# Altium PCB Enigma Rev B.PcbDoc (part 2 of 8)
Units mm, origin at the board's own origin, x right, y up, seen from the top; angles counter-clockwise.
Board outline 239.08 x 138 mm, 6 copper layers (Component Side, Ground Plane (GND), Inner Layer 1, Inner Layer 2, Power Plane (VCC), Solder Side), stack 1.297 mm thick; 556 components, 648 nets, 2393 pads, 1101 vias.
Unrouted connection lines stored in the file: 43.
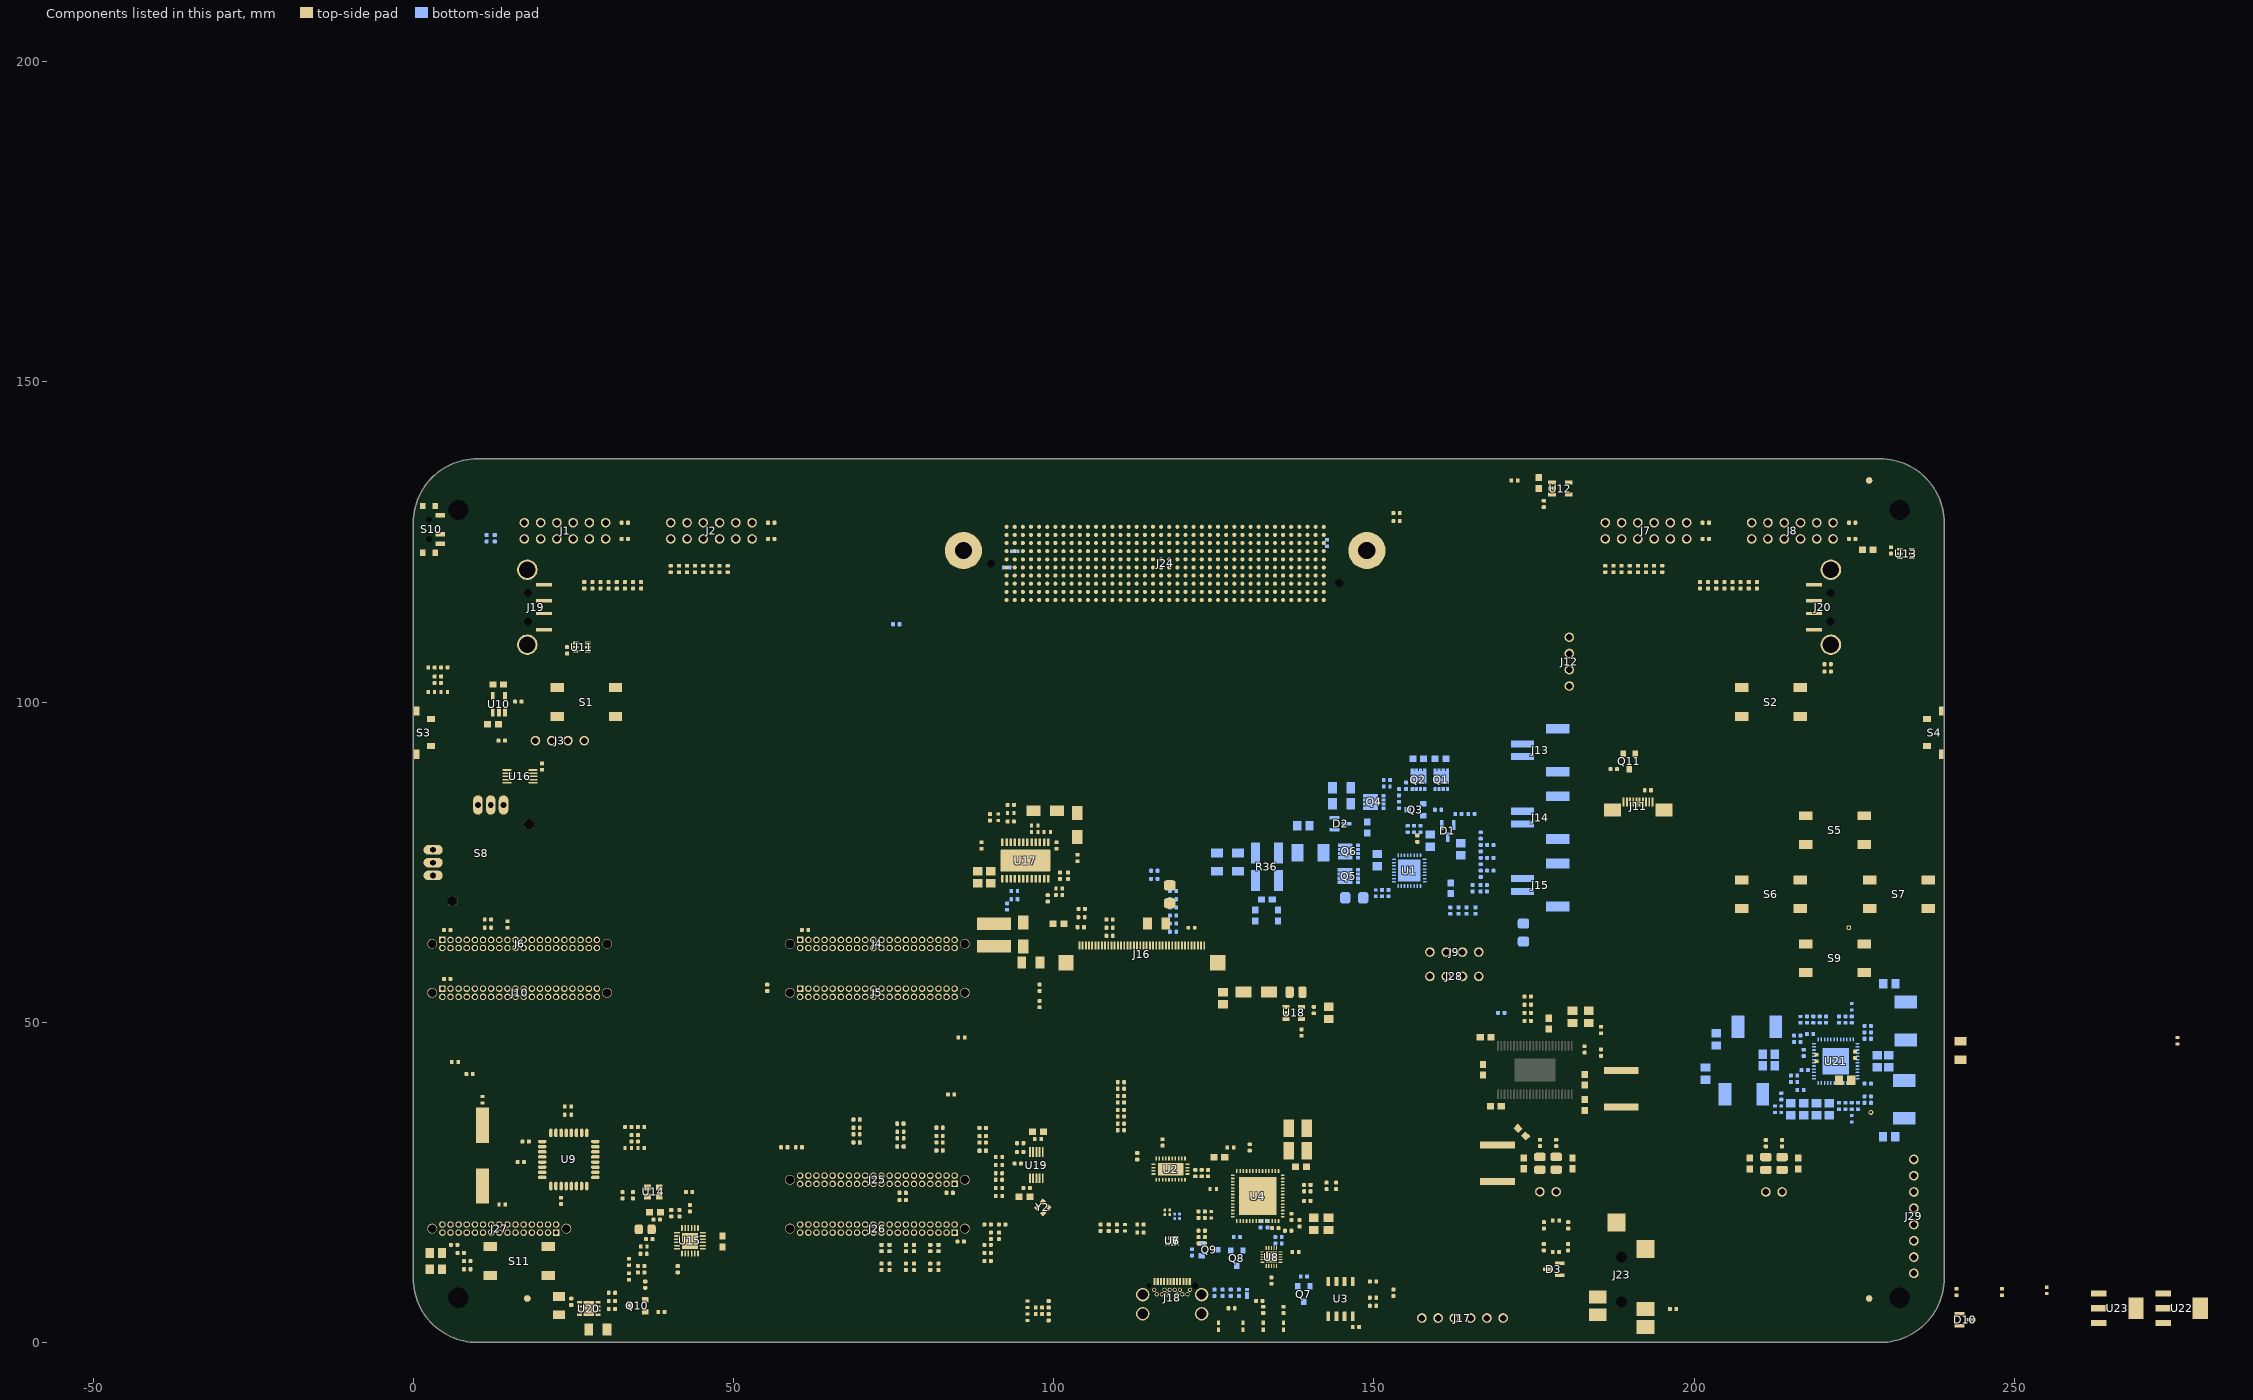
[diagram p6: the components of this part, seen from the top]

## Footprints (in the part's own frame and the unit in brackets; to place one, negate y for a bottom-side part, rotate by r counter-clockwise, add the part's x,y. Pads: shape width x height; smd on the part's side, far side on the other; paste and mask are expansions set on the pad) (continued)
ER-CON40HT-1_BTM [mm]
  rect 0.3x1.2 smd: 1(-9.75,-0.6) 2(-9.25,-0.6) 3(-8.75,-0.6) 4(-8.25,-0.6) 5(-7.75,-0.6) 6(-7.25,-0.6) 7(-6.75,-0.6) 8(-6.25,-0.6) 9(-5.75,-0.6) 10(-5.25,-0.6) 11(-4.75,-0.6) 12(-4.25,-0.6) 13(-3.75,-0.6) 14(-3.25,-0.6) 15(-2.75,-0.6) 16(-2.25,-0.6) 17(-1.75,-0.6) 18(-1.25,-0.6) 19(-0.75,-0.6) 20(-0.25,-0.6) 21(0.25,-0.6) 22(0.75,-0.6) 23(1.25,-0.6) 24(1.75,-0.6) 25(2.25,-0.6) 26(2.75,-0.6) 27(3.25,-0.6) 28(3.75,-0.6) 29(4.25,-0.6) 30(4.75,-0.6) 31(5.25,-0.6) 32(5.75,-0.6) 33(6.25,-0.6) 34(6.75,-0.6) 35(7.25,-0.6) 36(7.75,-0.6) 37(8.25,-0.6) 38(8.75,-0.6) 39(9.25,-0.6) 40(9.75,-0.6)
  rect 2.4x2.4 smd: M1(-11.85,-3.3) M2(11.85,-3.3)
  body extent -12.75,-5.9 12.75,-0.25, height 2.03
"FIDUCIAL ROUND" [mm] "FIDUCIAL ROUND"
  round 1 smd paste+0 mask+1.1: 0(0,0)
  round 1 smd far side paste+0 mask+1.1: 0(0,0)
  Component Side circle w0.127: c0,0 r1.778
  Solder Side circle w0.127: c0,0 r1.778
  Keep-Out Layer circle w0.1: c0,0 r2.032
HC49 [mm] "SMD Crystal"
  rect 5.5x2 smd: 1(-4.75,0) 2(4.75,0)
  silkscreen extent -5.68,-2.37 5.68,2.37, body extent -5.7,-2.4 5.7,2.4, height 2
HDR_1X2 [mm] "Jumper"
  round 1.5 hole 1.016: 1(0,0) 2(2.54,0)
  silkscreen extent -1.45,-1.8 4.13,1.8, body extent -1.27,-1.27 3.81,1.27, height 8.38
HDR_1X2_LIPO_BATTERY [mm] "POWER CONNECTOR"
  rect 1.1x3.6 smd: 1(1,-7.3) 2(-1,-7.3)
  rect 1.53x3.6 smd: MNT(-3.35,-1.8) MNT(3.35,-1.8)
  silkscreen extent -4.46,-9.43 4.43,0.31, body extent -3.95,-8.7 3.95,-0.1, height 5.63
HDR_1X4 [mm] "HEADER"
  round 1.5 hole 1.016: 1(0,0) 2(2.54,0) 3(5.08,0) 4(7.62,0)
  silkscreen extent -1.27,-1.27 8.89,1.27, body extent -1.26,-1.22 8.9,1.32, height 8.38
HDR_1X4_FEMALE [mm] "HEADER"
  round 1.5 hole 1.016: 1(0,0) 2(2.54,0) 3(5.08,0) 4(7.62,0)
  silkscreen extent -1.27,-1.27 8.89,1.27, body extent -1.26,-1.22 8.9,1.32, height 8.38
HDR_1X6 [mil] "HEADER"
  round 60 hole 40: 1(0,0) 2(100,0) 3(200,0) 4(300,0) 5(400,0) 6(500,0)
  silkscreen extent -50,-50 550,50, body extent -50,-50 550,50, height 334
"HDR_1X8 - FEMALE" [mil] "FEMALE HEADER"
  round 60 hole 40: 1(0,0) 2(100,0) 3(200,0) 4(300,0) 5(400,0) 6(500,0) 7(600,0) 8(700,0)
  silkscreen extent -50,-50 758,50, body extent -54,-49 756,49, height 340
HEADPHONE_JACK [mm] "SOT23, 3-Leads, Body 3.0x2.6mm (max), Pitch 0.95mm, IPC Medium Density"
  rect 2.2x2.8 smd: 1(0.6,1.35) 4(3.4,1.35)
  rect 2.8x2.8 smd: 2(12.8,1.35) 5(16.9,5.85)
  rect 2x2.8 smd: 3(5.3,8.8) 6(2.5,8.8)
  round 1 hole 1.7 unplated: ""(4.5,5.1) ""(11.5,5.1)
  silkscreen extent -1.4,0.53 15.45,8.27, body extent -1.5,1.92 15.45,8.27, height 1.1
IHLP-2020BZ [mm] "Vishay Dale recommended land pattern.  Document 34261 rev 12-Sept-13"
  rect 1.915x2.79 smd: 1(-2.038,0) 2(2.037,0)
  silkscreen extent -2.9,-2.7 2.9,2.7, body extent -2.87,-2.72 2.87,2.72, height 2
INDP744042006 [mm] "Precision Wire Wound Inductor, 2-Leads, Body 4.0x4.0mm, IPC High Density"
  rect 2x5.3 smd: 1(-1.75,0) 2(1.75,0)
  silkscreen extent -0.18,-2.68 0.15,2.68, body extent -2.4,-2.4 2.4,2.4, height 1.8
JOYSTICK_ANALOG_MINITHM [mm] "JOYSTICK_ANALOG_MINITHM"
  round 1.6 hole 1.6: 1(-6,-6) 1(6,6)
  oval 3x1.5 hole 0.9: X(-9,0) X+(-9,2) X-(-9,-2)
  oval 1.5x3 hole 0.9: Y(0,9) Y+(-2,9) Y-(2,9)
  body extent -9.73,-9.43 8.88,9.38, height 10.76
KC2520B [mm]
  rect 1.05x0.95 smd: 1(-0.925,-0.725) 2(0.925,-0.725) 3(0.925,0.725) 4(-0.925,0.725)
  silkscreen extent -2.25,-1.75 1.73,1.48, body extent -1.25,-1 1.25,1, height 0.7
KEM_L9004_MPLC [mm]
  rect 2x3.5 smd: 1(-2.95,0) 2(2.95,0)
  silkscreen extent -3.85,-3.35 3.85,3.35, body extent -3.85,-3.35 3.85,3.35, height 3
L_0806 [mm] "Inductor 0806"
  rrect50% 1.3x1.8 smd: 1(1,0) 2(-1,0)
  silkscreen extent -0.15,-0.81 0.15,0.79, body extent -1,-0.63 1,0.62, height 0.78
MF05A_N [mm] "SOT23, 5-Leads, Body 2.9x1.6mm, Pitch 0.95mm, Lead Span 2.8mm, IPC Medium Density"
  rect 1.1x0.65 smd: 1(-1.2,0.95) 2(-1.2,0) 3(-1.2,-0.95) 4(1.2,-0.95) 5(1.2,0.95)
  silkscreen extent -1.32,-1.5 0.25,1.95, body extent -0.83,-1.49 0.83,1.5, height 1.19
MNT_4-40 [mm]
  round 0 hole 3.175 unplated mask+0.038: MOUNT(0,0)
PCM_SMD_SWITCH [mil] "SMD Minature Switch"
  round 3.94 hole 35.43 paste+0 mask+0: 0(-59,0) 0(59,0)
  rect 28x59 smd: 1(-88,68.5) 2(30,68.5) 3(89,68.5)
  rect 39x32 smd: M(-143.5,-38.5) M(-143.5,38.5) M(143.5,-38.5) M(143.5,38.5)
  silkscreen extent -169,-55 114,89, body extent -120,-114 115,33, height 55
PMOD [mm] "PMOD Connector"
  round 1.5 hole 1.016: 1(0,0) 2(2.54,0) 3(5.08,0) 4(7.62,0) 5(10.16,0) 6(12.7,0) 7(0,2.54) 8(2.54,2.54) 9(5.08,2.54) 10(7.62,2.54) 11(10.16,2.54) 12(12.7,2.54)
  silkscreen extent -1.45,-1.8 14.53,4.23, body extent -1.57,-0.25 14.17,12.64, height 5.02
PWP0024B_L [mm] "SOP, 24-Leads, Body 4.5x7.9mm, Pitch 0.65mm, Thermal Pad 4.87x2.4mm, IPC High Density"
  rrect25% 1.2x0.4 smd mask+0.076: 1(-2.85,3.575) 2(-2.85,2.925) 3(-2.85,2.275) 4(-2.85,1.625) 5(-2.85,0.975) 6(-2.85,0.325) 7(-2.85,-0.325) 8(-2.85,-0.975) 9(-2.85,-1.625) 10(-2.85,-2.275) 11(-2.85,-2.925) 12(-2.85,-3.575) 13(2.85,-3.575) 14(2.85,-2.925) 15(2.85,-2.275) 16(2.85,-1.625) 17(2.85,-0.975) 18(2.85,-0.325) 19(2.85,0.325) 20(2.85,0.975) 21(2.85,1.625) 22(2.85,2.275) 23(2.85,2.925) 24(2.85,3.575)
  rrect6% 3.4x7.8 smd paste-2: 25(0,0)
  rrect4% 2.4x5.16 on Top Paste: 25(0,0)
  silkscreen extent -2.97,-4.06 1.85,4.45, body extent -3.21,-3.9 3.21,3.9, height 0.98
"Q_TDSON-8 NexFET" [mm] "Power MOSFET"
  rect 0.63x0.5 smd: 1(-1.435,0.975) 2(-1.435,0.325) 3(-1.435,-0.325) 4(-1.435,-0.975) 5(1.435,-0.975) 6(1.435,-0.325) 7(1.435,0.325) 8(1.435,0.975)
  rect 1.9x2.45 smd: TAB(0.39,0)
  silkscreen extent -2.25,-1.5 1.75,1.73, body extent -1.75,-1.22 1.78,1.25, height 1.1
QFN50P400X400X100_HS-25N [mm] "QFN, 24-Leads, Body 4.00x4.00mm, Pitch 0.50mm, Thermal Pad 2.50x2.50mm, IPC Medium Density"
  oval 0.95x0.25 smd mask+0.076: 1(-2,1.25) 2(-2,0.75) 3(-2,0.25) 4(-2,-0.25) 5(-2,-0.75) 6(-2,-1.25) 13(2,-1.25) 14(2,-0.75) 15(2,-0.25) 16(2,0.25) 17(2,0.75) 18(2,1.25)
  oval 0.25x0.95 smd mask+0.076: 7(-1.25,-2) 8(-0.75,-2) 9(-0.25,-2) 10(0.25,-2) 11(0.75,-2) 12(1.25,-2) 19(1.25,2) 20(0.75,2) 21(0.25,2) 22(-0.25,2) 23(-0.75,2) 24(-1.25,2)
  rect 2.5x2.5 smd mask+0.076: 25(0,0)
  silkscreen extent -3,-2.23 2.23,2.22, body extent -2.08,-2.08 2.08,2.08, height 1
R_0402 [mm] "Resistor 0402"
  rrect50% 0.6x0.65 smd: 1(-0.5,0) 2(0.5,0)
  body extent -0.51,-0.25 0.51,0.25, height 0.51
R_1206 [mm] "Resistor 1206"
  rrect50% 1.6x1.8 smd: 1(-1.4,0) 2(1.4,0)
  silkscreen extent -0.4,-0.8 0.4,0.8, body extent -1.6,-0.8 1.6,0.8, height 1
R_LVK25_0.003 [mm]
  rect 1.4x3.3 smd: 1(-1.8,-2.15) 2(1.8,-2.15) 3(1.8,2.15) 4(-1.8,2.15)
  silkscreen extent -1.81,-4.26 0.3,3.8, body extent -2.22,-3.82 2.19,3.8, height 1.3
RGZ0048B [mm]
  oval 0.6x0.24 smd paste+0 mask+0.051: 1(-3.4,2.75) 2(-3.4,2.25) 3(-3.4,1.75) 4(-3.4,1.25) 5(-3.4,0.75) 6(-3.4,0.25) 7(-3.4,-0.25) 8(-3.4,-0.75) 9(-3.4,-1.25) 10(-3.4,-1.75) 11(-3.4,-2.25) 12(-3.4,-2.75) 25(3.4,-2.75) 26(3.4,-2.25) 27(3.4,-1.75) 28(3.4,-1.25) 29(3.4,-0.75) 30(3.4,-0.25) 31(3.4,0.25) 32(3.4,0.75) 33(3.4,1.25) 34(3.4,1.75) 35(3.4,2.25) 36(3.4,2.75)
  oval 0.24x0.6 smd paste+0 mask+0.051: 13(-2.75,-3.4) 14(-2.25,-3.4) 15(-1.75,-3.4) 16(-1.25,-3.4) 17(-0.75,-3.4) 18(-0.25,-3.4) 19(0.25,-3.4) 20(0.75,-3.4) 21(1.25,-3.4) 22(1.75,-3.4) 23(2.25,-3.4) 24(2.75,-3.4) 37(2.75,3.4) 38(2.25,3.4) 39(1.75,3.4) 40(1.25,3.4) 41(0.75,3.4) 42(0.25,3.4) 43(-0.25,3.4) 44(-0.75,3.4) 45(-1.25,3.4) 46(-1.75,3.4) 47(-2.25,3.4) 48(-2.75,3.4)
  rect 4.1x4.1 smd paste-2.037 mask+0.051: 49(0,0)
  silkscreen extent -3.72,-3.72 3.72,3.72
RHB0032E [mm]
  oval 0.6x0.24 smd paste-0.102 mask+0.051: 1(-2.4,1.75) 2(-2.4,1.25) 3(-2.4,0.75) 4(-2.4,0.25) 5(-2.4,-0.25) 6(-2.4,-0.75) 7(-2.4,-1.25) 8(-2.4,-1.75) 17(2.4,-1.75) 18(2.4,-1.25) 19(2.4,-0.75) 20(2.4,-0.25) 21(2.4,0.25) 22(2.4,0.75) 23(2.4,1.25) 24(2.4,1.75)
  oval 0.24x0.6 smd paste-0.102 mask+0.051: 9(-1.75,-2.4) 10(-1.25,-2.4) 11(-0.75,-2.4) 12(-0.25,-2.4) 13(0.25,-2.4) 14(0.75,-2.4) 15(1.25,-2.4) 16(1.75,-2.4) 25(1.75,2.4) 26(1.25,2.4) 27(0.75,2.4) 28(0.25,2.4) 29(-0.25,2.4) 30(-0.75,2.4) 31(-1.25,2.4) 32(-1.75,2.4)
  rect 3.45x3.45 smd paste-1.712 mask+0.051: 33(0,0)
  silkscreen extent -2.72,-2.73 2.72,2.73
RHR0028A [mm]
  rect 0.6x0.25 smd paste+0 mask+0.051: 1(-1.65,2.25) 2(-1.65,1.75) 3(-1.65,1.25) 4(-1.65,0.75) 5(-1.65,0.25) 6(-1.65,-0.25) 7(-1.65,-0.75) 8(-1.65,-1.25) 9(-1.65,-1.75) 10(-1.65,-2.25) 15(1.65,-2.25) 16(1.65,-1.75) 17(1.65,-1.25) 18(1.65,-0.75) 19(1.65,-0.25) 20(1.65,0.25) 21(1.65,0.75) 22(1.65,1.25) 23(1.65,1.75) 24(1.65,2.25)
  rect 0.25x0.6 smd paste+0 mask+0.051: 11(-0.75,-2.65) 12(-0.25,-2.65) 13(0.25,-2.65) 14(0.75,-2.65) 25(0.75,2.65) 26(0.25,2.65) 27(-0.25,2.65) 28(-0.75,2.65)
  rect 2x4 smd paste-1.987 mask+0.051: 29(0,0)
  silkscreen extent -1.9,-2.9 1.9,2.9
RUK0020B [mm]
  rrect50% 0.6x0.2 smd mask+0.051: 1(-1.4,0.8) 2(-1.4,0.4) 3(-1.4,0) 4(-1.4,-0.4) 5(-1.4,-0.8) 11(1.4,-0.8) 12(1.4,-0.4) 13(1.4,0) 14(1.4,0.4) 15(1.4,0.8)
  rrect50% 0.2x0.6 smd mask+0.051: 6(-0.8,-1.4) 7(-0.4,-1.4) 8(0,-1.4) 9(0.4,-1.4) 10(0.8,-1.4) 16(0.8,1.4) 17(0.4,1.4) 18(0,1.4) 19(-0.4,1.4) 20(-0.8,1.4)
  rrect50% 0.75x0.75 on Top Paste: 21(-0.475,-0.475) 21(-0.475,0.475) 21(0.475,-0.475) 21(0.475,0.475)
  rrect6% 1.7x1.7 smd paste-0.85 mask+0.076: 21(0,0)
  silkscreen extent -1.68,-1.68 1.68,1.68, body extent -1.5,-1.5 1.5,1.5, height 0.8
RWE0056B [mm]
  rrect40% 0.6x0.25 smd paste+0 mask+0.076: 1(-3.9,3.25) 2(-3.9,2.75) 3(-3.9,2.25) 4(-3.9,1.75) 5(-3.9,1.25) 6(-3.9,0.75) 7(-3.9,0.25) 8(-3.9,-0.25) 9(-3.9,-0.75) 10(-3.9,-1.25) 11(-3.9,-1.75) 12(-3.9,-2.25) 13(-3.9,-2.75) 14(-3.9,-3.25) 29(3.9,-3.25) 30(3.9,-2.75) 31(3.9,-2.25) 32(3.9,-1.75) 33(3.9,-1.25) 34(3.9,-0.75) 35(3.9,-0.25) 36(3.9,0.25) 37(3.9,0.75) 38(3.9,1.25) 39(3.9,1.75) 40(3.9,2.25) 41(3.9,2.75) 42(3.9,3.25)
  rrect40% 0.25x0.6 smd paste+0 mask+0.076: 15(-3.25,-3.9) 16(-2.75,-3.9) 17(-2.25,-3.9) 18(-1.75,-3.9) 19(-1.25,-3.9) 20(-0.75,-3.9) 21(-0.25,-3.9) 22(0.25,-3.9) 23(0.75,-3.9) 24(1.25,-3.9) 25(1.75,-3.9) 26(2.25,-3.9) 27(2.75,-3.9) 28(3.25,-3.9) 43(3.25,3.9) 44(2.75,3.9) 45(2.25,3.9) 46(1.75,3.9) 47(1.25,3.9) 48(0.75,3.9) 49(0.25,3.9) 50(-0.25,3.9) 51(-0.75,3.9) 52(-1.25,3.9) 53(-1.75,3.9) 54(-2.25,3.9) 55(-2.75,3.9) 56(-3.25,3.9)
  rrect2% 5.9x5.9 smd paste-6: 57(0,0)
  silkscreen extent -4.47,-4.47 4.47,4.47, body extent -4,-4 4,4, height 0.86
SC70-LT6_N [mm] "SOT363, 6-Leads, Body 2x1.3mm, Pitch 0.65mm, Lead Span 2.1mm, IPC Medium Density"
  rect 0.85x0.4 smd mask+0.076: 1(-0.95,0.65) 2(-0.95,0) 3(-0.95,-0.65) 4(0.95,-0.65) 5(0.95,0) 6(0.95,0.65)
  silkscreen extent -1.07,-1.1 0.15,1.52, body extent -0.7,-1.1 0.7,1.1, height 1.1
SI5351 [mm] "TSSOP, 10-Leads, Body 3.00x3.00mm, Pitch 0.50mm, IPC Medium Density"
  rect 1.5x0.3 smd mask+0.025: 1(-2.05,1) 2(-2.05,0.5) 3(-2.05,0) 4(-2.05,-0.5) 5(-2.05,-1) 6(2.05,-1) 7(2.05,-0.5) 8(2.05,0) 9(2.05,0.5) 10(2.05,1)
  silkscreen extent -0.83,-1.55 0.82,1.55, body extent -2.45,-1.5 2.45,1.5, height 1.15
SMA [mil]
  rect 86x64 smd: 1(-73,0) 2(73,0)
  silkscreen extent -165,-58 91,58
"SOIC-8 - TI" [mm]
  rrect17% 1.45x0.6 smd: 1(-2.725,1.905) 2(-2.725,0.635) 3(-2.725,-0.635) 4(-2.725,-1.905) 5(2.725,-1.905) 6(2.725,-0.635) 7(2.725,0.635) 8(2.725,1.905)
  silkscreen extent -3.5,-2.5 0.9,2.5, body extent -3,-2.45 3,2.45, height 1.63
SON65P300X80_HS-9N [mm] "SON, 8-Leads, Body 3.00x3.00mm, Pitch 0.65mm, Thermal Pad 2.40x1.70mm, IPC Medium Density"
  rect 0.75x0.35 smd mask+0.076: 1(-1.465,0.975) 2(-1.465,0.325) 3(-1.465,-0.325) 4(-1.465,-0.975) 5(1.465,-0.975) 6(1.465,-0.325) 7(1.465,0.325) 8(1.465,0.975)
  rect 1.7x2.4 smd mask+0.076: 9(0,0)
  silkscreen extent -2.1,-1.65 1.65,1.7, body extent -1.58,-1.5 1.58,1.5, height 0.8
SOT23 [mm] "SOT23, 3-Leads, Body 3.0x2.6mm (max), Pitch 0.95mm, IPC Medium Density"
  rect 1.55x0.55 smd: 1(-0.925,0.95) 2(-0.925,-0.95) 3(0.925,0)
  silkscreen extent -1.05,-1.5 0.7,1.9, body extent -0.7,-1.5 0.7,1.5, height 1.1
SOT95P280X90-5N [mm] "SOT23, 5-Leads, Body 3.0x2.8mm (max), Pitch 0.95mm, IPC Medium Density"
  rect 1.22x0.6 smd: 1(-1.31,0.95) 2(-1.31,0) 3(-1.31,-0.95) 4(1.31,-0.95) 5(1.31,0.95)
  silkscreen extent -1.43,-1.5 0.48,1.92, body extent -0.87,-1.5 0.87,1.5, height 0.9
SOT230P700X180-4N [mm] "SOT223, 4-Leads, Body 6.7x7.3mm (max), Pitch 2.30mm, IPC Medium Density"
  rect 2.4x1 smd: 1(-2.9,2.3) 2(-2.9,0) 3(-2.9,-2.3)
  rect 2.4x3.3 smd: 4(2.9,0)
  silkscreen extent -3.02,-3.35 1.3,3.47, body extent -1.85,-3.35 1.85,3.35, height 1.8
SOT-23A [mm] "SOT-23; 3 Leads; Body 3.1 x 2.5 mm, inc. leads (LxW max)"
  rect 0.85x1 smd: 1(0.95,1.2) 2(-0.95,1.2) 3(0,-1.2)
  silkscreen extent -1.6,-0.6 1.95,1.33, body extent -1.46,-1.13 1.46,1.35, height 1
TACTILE_1571563_2 [mm] "SWITCH TACTILE SPST-NO 0.05A 24V"
  rect 2.1x1.4 smd: 1(-4.55,2.25) 2(4.55,2.25) 3(-4.55,-2.25) 4(4.55,-2.25)
  silkscreen extent -1.2,-3.2 1.2,3.2, body extent -5,-3 5,3, height 5.1
TestPointSmall [mil]
  round 30 hole 15 mask+1.5: 1(0,0)
TFM11501-X-D-A [mil]
  rect 40x40 / inner round 25 / far side rect 40x40 hole 25 paste+10: 1(-350,-25)
  round 40 / inner round 25 / far side round 40 hole 25 paste+10: 2(-350,25) 3(-300,-25) 4(-300,25) 5(-250,-25) 6(-250,25) 7(-200,-25) 8(-200,25) 9(-150,-25) 10(-150,25) 11(-100,-25) 12(-100,25) 13(-50,-25) 14(-50,25) 15(0,-25) 16(0,25) 17(50,-25) 18(50,25) 19(100,-25) 20(100,25) 21(150,-25) 22(150,25) 23(200,-25) 24(200,25) 25(250,-25) 26(250,25) 27(300,-25) 28(300,25) 29(350,-25) 30(350,25)
  round 53 / inner round 60 / far side round 60 hole 53: 41(-412.58,0) 42(412.58,0)
  silkscreen extent -387,-67 387,87, body extent -438,-113 437,112, height 220
TFM12001-X-D-A [mil]
  rect 40x40 / inner round 25 / far side rect 40x40 hole 25 paste+10: 1(-475,-25)
  round 40 / inner round 25 / far side round 40 hole 25 paste+10: 2(-475,25) 3(-425,-25) 4(-425,25) 5(-375,-25) 6(-375,25) 7(-325,-25) 8(-325,25) 9(-275,-25) 10(-275,25) 11(-225,-25) 12(-225,25) 13(-175,-25) 14(-175,25) 15(-125,-25) 16(-125,25) 17(-75,-25) 18(-75,25) 19(-25,-25) 20(-25,25) 21(25,-25) 22(25,25) 23(75,-25) 24(75,25) 25(125,-25) 26(125,25) 27(175,-25) 28(175,25) 29(225,-25) 30(225,25) 31(275,-25) 32(275,25) 33(325,-25) 34(325,25) 35(375,-25) 36(375,25) 37(425,-25) 38(425,25) 39(475,-25) 40(475,25)
  round 53 / inner round 60 / far side round 60 hole 53: 41(-537.58,0) 42(537.58,0)
  silkscreen extent -512,-67 512,87, body extent -563,-113 562,112, height 220
TI-DGS10_L [mm] "SOP, 10-Leads, Body 3.1x3.1mm, Pitch 0.5mm, IPC High Density"
  oval 1.45x0.25 smd mask+0.076: 1(-2.025,1) 2(-2.025,0.5) 3(-2.025,0) 4(-2.025,-0.5) 5(-2.025,-1) 6(2.025,-1) 7(2.025,-0.5) 8(2.025,0) 9(2.025,0.5) 10(2.025,1)
  silkscreen extent -2.15,-1.55 0.9,1.8, body extent -1.55,-1.55 1.55,1.55, height 1.1
TL3330AF130QG [mm] "SWITCH TACTILE SPST-NO 0.05A 12V"
  rect 0.9x1.27 smd: 1(-2.1,0.86) 2(2.1,0.86)
  rect 1.45x0.8 smd: M(-3.375,-1.4) M(3.375,-1.4)
  silkscreen extent -4.57,-0.95 4.57,2, body extent -3.87,-2.73 3.92,0.78, height 3.5
TVS_DIODE_USB3.0-10 [mm] "USB3.0_TVS_ARRAY"
  rect 0.675x0.2 smd mask+0.038: 1(-0.437,1) 2(-0.437,0.5) 4(-0.437,-0.5) 5(-0.437,-1) 6(0.437,-1) 7(0.437,-0.5) 9(0.437,0.5) 10(0.437,1)
  rect 0.675x0.4 smd mask+0.038: 3(-0.437,0) 8(0.437,0)
  silkscreen extent -1.45,-1.38 1,1.8, body extent -1,-1.4 1,1.4, height 0.5
USB_A [mm] "USB A Male"
  rect 0.5x2.5 smd: 1(3.5,2.6) 2(1,2.6) 3(-1,2.6) 4(-3.5,2.6)
  round 3.2 hole 2.6: S1(-5.85,0) S2(5.85,0)
  round 0 hole 1.25 unplated: ""(-2.25,0.075) ""(2.25,0.075)
  silkscreen extent -6.05,-17.75 6.05,4.6
VF32_L [mm] "Thin QFP, 32-Leads, Body 7x7mm, Pitch 0.8mm, IPC High Density"
  oval 1.35x0.55 smd mask+0.076: 1(-4.15,2.8) 2(-4.15,2) 3(-4.15,1.2) 4(-4.15,0.4) 5(-4.15,-0.4) 6(-4.15,-1.2) 7(-4.15,-2) 8(-4.15,-2.8) 17(4.15,-2.8) 18(4.15,-2) 19(4.15,-1.2) 20(4.15,-0.4) 21(4.15,0.4) 22(4.15,1.2) 23(4.15,2) 24(4.15,2.8)
  oval 0.55x1.35 smd mask+0.076: 9(-2.8,-4.15) 10(-2,-4.15) 11(-1.2,-4.15) 12(-0.4,-4.15) 13(0.4,-4.15) 14(1.2,-4.15) 15(2,-4.15) 16(2.8,-4.15) 25(2.8,4.15) 26(2,4.15) 27(1.2,4.15) 28(0.4,4.15) 29(-0.4,4.15) 30(-1.2,4.15) 31(-2,4.15) 32(-2.8,4.15)
  silkscreen extent -4.27,-3.05 3.05,3.75, body extent -3.5,-3.5 3.5,3.5, height 1.6
XTAL_2.0X1.6MM [mm] "UU_XTAL_2.0X1.6MMsity"
  rect 0.65x0.8 smd mask+0.025: 1(-0.65,-0.6) 2(0.65,-0.6) 3(0.65,0.6) 4(-0.65,0.6)
  silkscreen extent -1.23,-1.82 1.23,1.2, body extent -1,-0.8 1,0.8, height 0.9

## Part data
C1 C2 C3 C4 C5 C6 C7 C8 C9 C10 C11 C12 C13 C14 C17 C20 C21 C24 C28 C29 C30 C31 C32 C42 C43 C55 C67 C81 C84 C87 C108 C110 C112 C113 C115 C122 C131 C135 C140 C141 C145 C151 C157 C163 C180 C181 C182 C183 C184 C185 C187 C189 C190 C191 C192 C193 C194 C196 C197 C198 C199 C200 C201 C202 C203 C204 C205 C206: library part C_0402_0.1UF_16V, "CAP CER .10UF 16V X7R 0402", Capacitance=0.1µF, Manufacturer="Murata Electronics North America", Manufacturer Part Number=GRM155R71C104KA88J, Operating Temperature="-55°C ~ 125°C", Package / Case=0402, Ratings=-, Supplier Part Number 1=490-6328-1-ND, Temperature Coefficient=X7R, Tolerance=±10%, Voltage - Rated=16V, Applications="General Purpose", Category=Capacitors, ComponentLink1Description=http://www.murata.com/~/media/webrenewal/support/library/catalog/products/capacitor/mlcc/c02e.ashx?la=en-us, ComponentLink1URL=http://www.murata.com/~/media/webrenewal/support/library/catalog/products/capacitor/mlcc/c02e.ashx?la=en-us, Features=-, Height - Seated (Max)=-, Lead Spacing=-, Mounting Type="Surface Mount, MLCC", Packaging="Cut Tape (CT)", Part Status=Active, Pricing 1="1=0.1, 10=0.014, 100=0.0062, 500=0.00442, 1000=0.00348, 2500=0.00316, 5000=0.00291 (USD)", RoHS="RoHS Compliant", Size / Dimension="0.039\" L x 0.020\" W (1.00mm x 0.50mm)", Stock 1=18103134, Supplier 1=Digi-Key, Thickness (Max)="0.022\" (0.55mm)"
C15 C16 C25 C33 C39 C40 C41 C105 C106: "CAP CER 0.1UF 50V X7R 0603", Capacitance=0.1µF, Manufacturer="Samsung Electro-Mechanics America, Inc.", Manufacturer Part Number=CL10B104KB8SFNC, Operating Temperature="-55°C ~ 125°C", Package / Case=0603, Ratings=-, Supplier Part Number 1=1276-1936-1-ND, Temperature Coefficient=X7R, Tolerance=±10%, Voltage - Rated=50V, Applications="Boardflex Sensitive", Category=Capacitors, ComponentLink1Description=http://www.samsungsem.com/kr/support/product-search/mlcc/CL10B104KB8SFNC.jsp, ComponentLink1URL=http://www.samsungsem.com/kr/support/product-search/mlcc/CL10B104KB8SFNC.jsp, ComponentLink2Description=http://www.kemet.com/docfinder?Partnumber=C0603C104M5RACTU, ComponentLink2URL=http://www.kemet.com/docfinder?Partnumber=C0603C104M5RACTU, Features="Soft Termination", Height - Seated (Max)=-, Lead Spacing=-, Lead Style=-, Mounting Type="Surface Mount, MLCC", Packaging="Cut Tape (CT)", Pricing 1="1=0.1, 10=0.027, 25=0.0192, 50=0.0148, 100=0.0125, 500=0.00874, 1000=0.00681 (USD)", Pricing 2="1=0.1, 10=0.026, 50=0.0144, 100=0.0121, 250=0.00992, 500=0.00848, 1000=0.0066 (USD)", RoHS="RoHS Compliant", Size / Dimension="0.063\" L x 0.031\" W (1.60mm x 0.80mm)", Stock 1=1364172, Stock 2=470947, Supplier 1=Digi-Key, Supplier 2=Digi-Key, Supplier Part Number 2=399-7845-1-ND, Thickness (Max)="0.035\" (0.90mm)"
C18 C132: Capacitance=2.2uF, Manufacturer="Taiyo Yuden", Manufacturer Part Number=TMK212B7225KG-TR, Operating Temperature="-55°C ~ 125°C", Package / Case=0805, Ratings=-, Supplier Part Number 1=587-2991-1-ND, Temperature Coefficient=X7R, Tolerance=±10%, Voltage - Rated=25V, Applications="General Purpose", Category=Capacitors, ComponentLink1Description=http://ds.yuden.co.jp/TYCOMPAS/ut/detail.do?productNo=TMK212B7225KG-TR&fileName=TMK212B7225KG-TR_SS&mode=specSheetDownload, ComponentLink1URL=http://ds.yuden.co.jp/TYCOMPAS/ut/detail.do?productNo=TMK212B7225KG-TR&fileName=TMK212B7225KG-TR_SS&mode=specSheetDownload, Features=-, Height - Seated (Max)=-, Lead Spacing=-, Lead Style=-, Mounting Type="Surface Mount, MLCC", Packaging="Cut Tape (CT)", Part Status=Active, Pricing 1="1=0.34, 10=0.255, 50=0.1488, 100=0.119, 250=0.085, 500=0.0578, 1000=0.04675 (USD)", RoHS="RoHS Compliant", Size / Dimension="0.079\" L x 0.049\" W (2.00mm x 1.25mm)", Stock 1=119541, Supplier 1=Digi-Key, Thickness (Max)="0.053\" (1.35mm)"
C19 C22 C47 C95 C96: library part C_0805_1.0uF_50V, "CAP CER 1UF 50V X7R 0805", Capacitance=1.0µF, Manufacturer="Murata Electronics North America", Manufacturer Part Number=GRM21BR71H105KA12L, Operating Temperature="-55°C ~ 125°C", Package / Case=0805, Ratings=-, Supplier Part Number 1=490-4736-1-ND, Temperature Coefficient=X7R, Tolerance=±10%, Voltage - Rated=50V, Applications="General Purpose", Category=Capacitors, ComponentLink1Description=http://search.murata.co.jp/Ceramy/image/img/PDF/ENG/GRM21BR71H105KA12.pdf, ComponentLink1URL=http://search.murata.co.jp/Ceramy/image/img/PDF/ENG/GRM21BR71H105KA12.pdf, Features=-, Lead Spacing=-, Lead Style=-, Mounting Type="Surface Mount, MLCC", Packaging="Cut Tape (CT)", Pricing 1="10=0.529, 100=0.3127, 500=0.18038, 1000=0.12506 (USD)", RoHS="RoHS Compliant", Size / Dimension="0.079\" L x 0.049\" W (2.00mm x 1.25mm)", Stock 1=322160, Supplier 1=Digi-Key, Thickness=1.25mm
C23 C116: "CAP CER 2.2UF 35V 20% X5R 0402", Capacitance=2.2µF, Manufacturer="TDK Corporation", Manufacturer Part Number=C1005X5R1V225K050BC, Operating Temperature="-55°C ~ 85°C", Package / Case=0402, Ratings=-, Supplier Part Number 1=445-9028-1-ND, Temperature Coefficient=X5R, Tolerance=±10%, Voltage - Rated=35V, Applications="General Purpose", Category=Capacitors, ComponentLink1Description=https://product.tdk.com/info/en/catalog/datasheets/mlcc_commercial_general_en.pdf, ComponentLink1URL=https://product.tdk.com/info/en/catalog/datasheets/mlcc_commercial_general_en.pdf, Failure Rate=-, Features="Low ESL", Height - Seated (Max)=-, Lead Spacing=-, Lead Style=-, Mounting Type="Surface Mount, MLCC", Packaging="Cut Tape (CT)", Part Status=Active, Pricing 1="1=0.36, 10=0.253, 100=0.1518, 500=0.11386, 1000=0.09614, 2500=0.09108, 5000=0.08602 (USD)", RoHS="RoHS Compliant", Size / Dimension="0.039\" L x 0.020\" W (1.00mm x 0.50mm)", Stock 1=300469, Supplier 1=Digi-Key, Thickness (Max)="0.022\" (0.55mm)"
C26 C27 C36 C37 C118 C119 C143 C144 C210: library part C_1206_10UF_25V, "CAP CER 10UF 25V X5R 1206", Manufacturer="Murata Electronics North America", Manufacturer Part Number=GRM31CR61E106MA12L, Operating Temperature="-55°C ~ 85°C", Package / Case=1206, Ratings=-, Supplier Part Number 1=490-5423-1-ND, Temperature Coefficient=X5R, Tolerance=±20%, Voltage - Rated=25V, Applications="General Purpose", Capacitance=10µF, Category=Capacitors, ComponentLink1Description=http://search.murata.co.jp/Ceramy/image/img/PDF/ENG/GRM31CR61E106MA12.pdf, ComponentLink1URL=http://search.murata.co.jp/Ceramy/image/img/PDF/ENG/GRM31CR61E106MA12.pdf, Features=-, Height=-, Lead Spacing=-, Lead Style=-, Mounting Type="Surface Mount, MLCC", Packaging="Cut Tape (CT)", Pricing="1=0.51, 10=0.402, 50=0.2646, 100=0.2099, 250=0.15512, 500=0.12046, 1000=0.0949 (USD)", RoHS="RoHS Compliant", Size / Dimension="0.126\" L x 0.063\" W (3.20mm x 1.60mm)", Stock 1=359069, Supplier 1=Digi-Key, Thickness="0.071\" (1.80mm)"
C34: library part C_0402_100PF, "CAP CER 100PF 50V 5% C0G 0402", Manufacturer="Murata Electronics North America", Manufacturer Part Number=GRM1555C1H101JA01D, Operating Temperature="-55°C ~ 125°C", Package / Case=0402, Ratings=-, Supplier Part Number 1=490-5922-1-ND, Temperature Coefficient=NP0, Tolerance=±5%, Voltage - Rated=50V, Applications="General Purpose", Capacitance=100pF, Category=Capacitors, ComponentLink1Description=http://www.murata.com/~/media/webrenewal/support/library/catalog/products/capacitor/mlcc/c02e.pdf, ComponentLink1URL=http://www.murata.com/~/media/webrenewal/support/library/catalog/products/capacitor/mlcc/c02e.pdf, Features=-, Height - Seated (Max)=-, Lead Spacing=-, Lead Style=-, Mounting Type="Surface Mount, MLCC", Packaging="Cut Tape (CT)", Part Status=Active, Pricing 1="1=0.1, 10=0.012, 50=0.0066, 100=0.0055, 250=0.00452, 500=0.00386, 1000=0.003, 5000=0.0025 (USD)", RoHS="RoHS Compliant", Size / Dimension="0.039\" L x 0.020\" W (1.00mm x 0.50mm)", Stock 1=1663893, Supplier 1=Digi-Key, Thickness (Max)="0.022\" (0.55mm)"